# Altium PCB iMX6 Rex_V1I1_PCB.PcbDoc (part 2 of 8)
Units mm, origin at the board's own origin, x right, y up, seen from the top; angles counter-clockwise.
Board outline 70 x 40 mm, 12 copper layers (L1, L2, L3, L4, L5 (PWR), L6 (PWR), L7 (PWR), L8 (PWR), L9, L10, L11, L12), stack 1.566 mm thick; 473 components, 409 nets, 2294 pads, 1880 vias.
Unrouted connection lines stored in the file: 7.
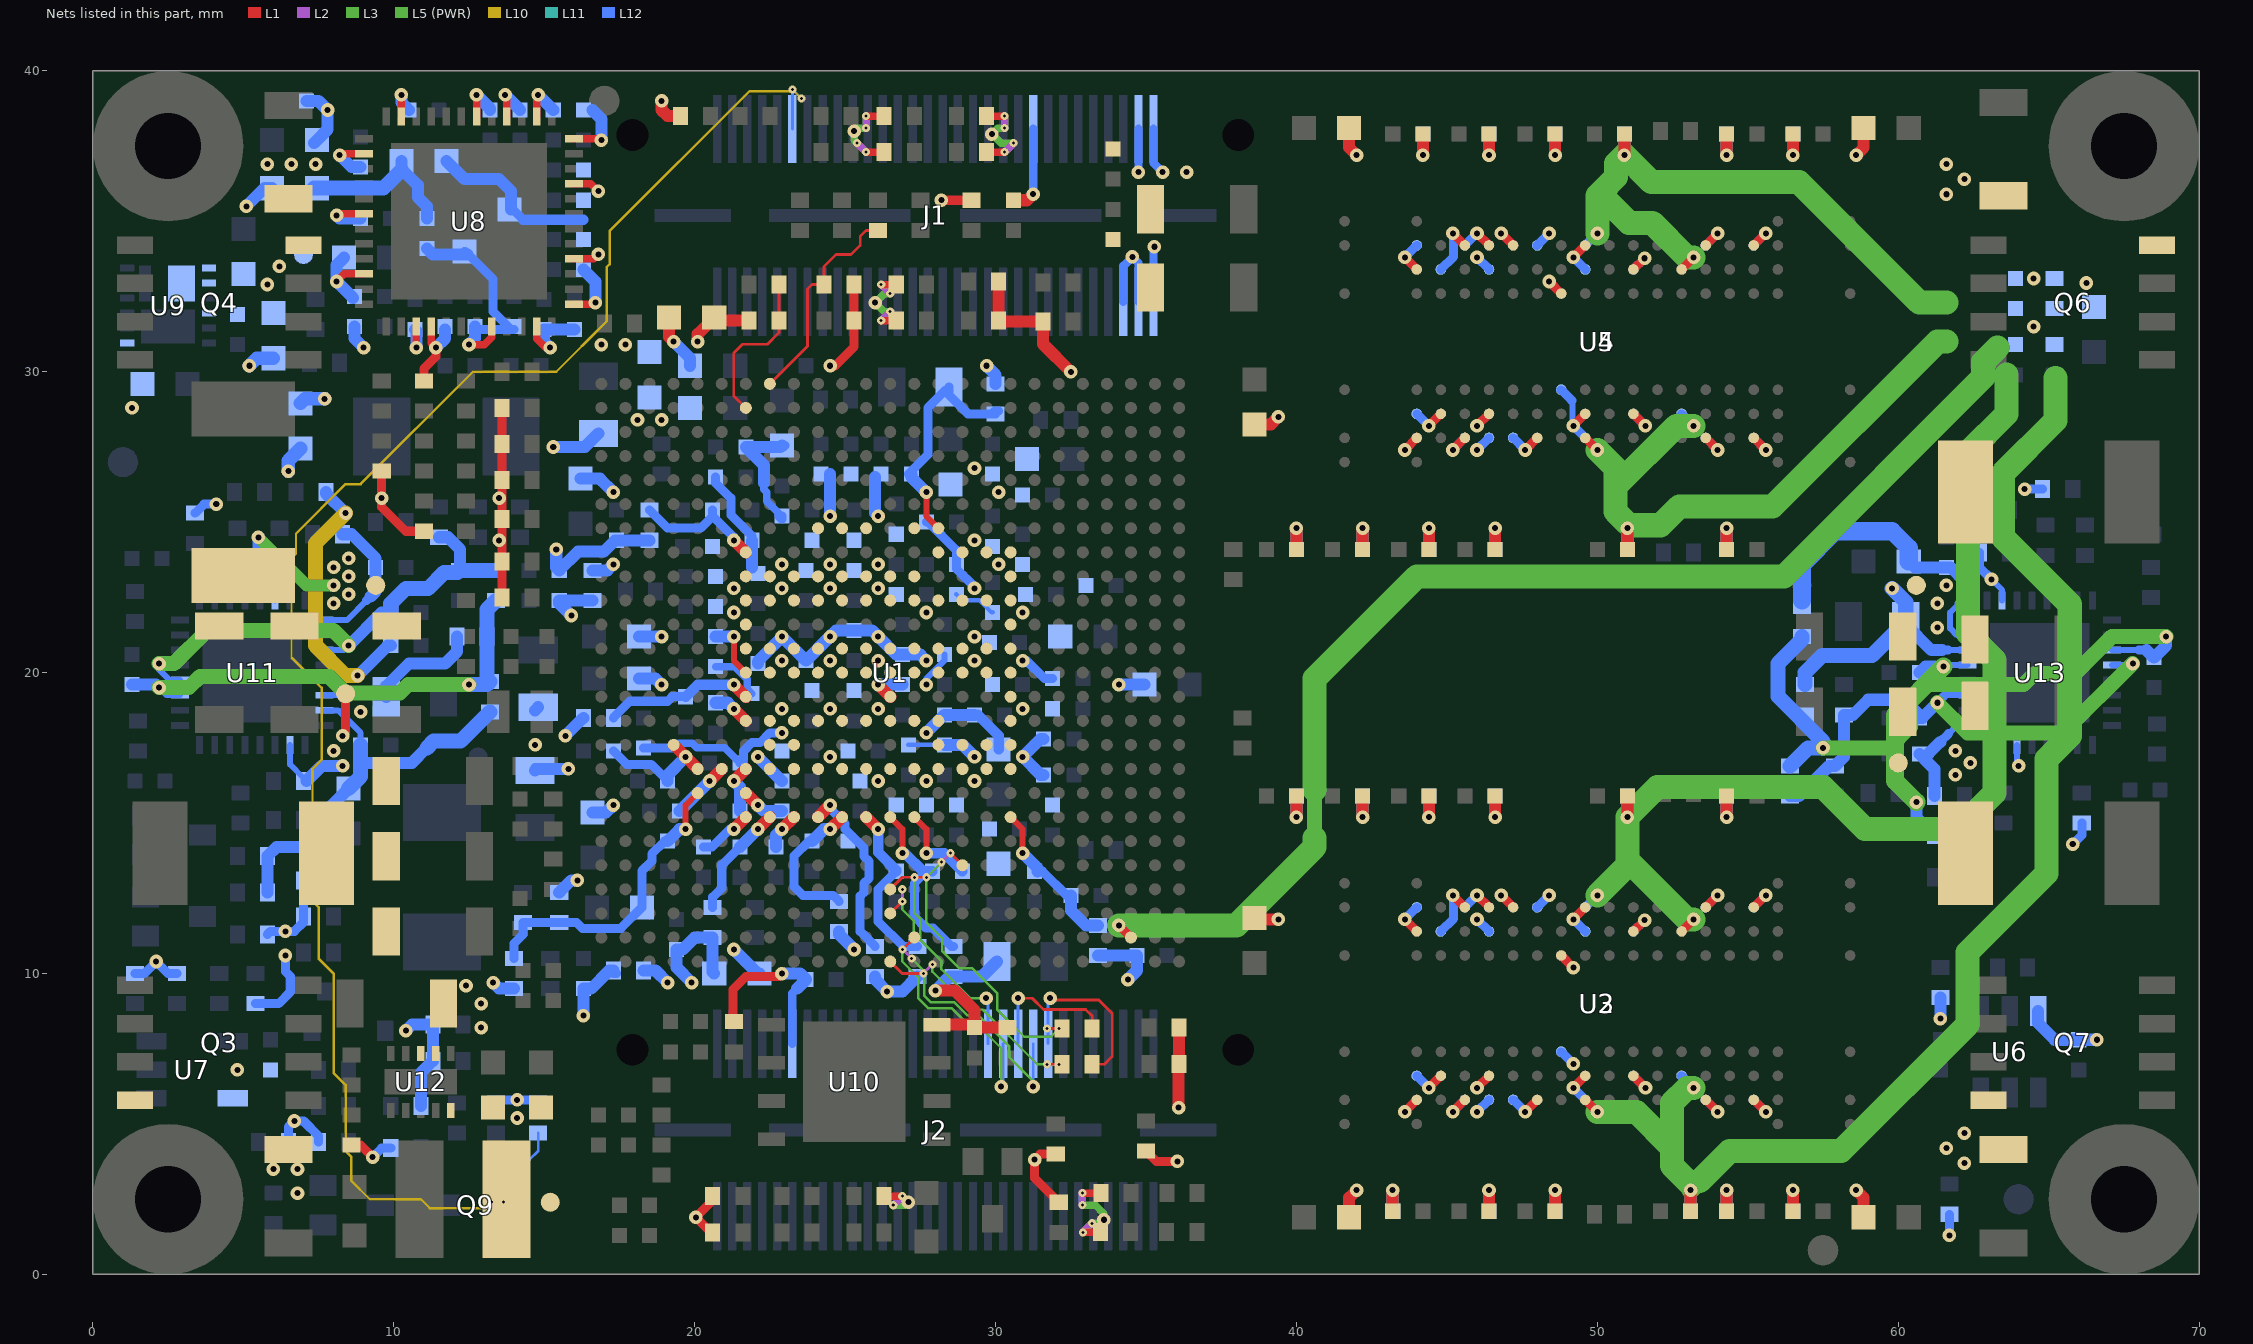
[diagram p12: the nets of this part, all layers, seen from the top]

## Footprints (in the part's own frame and the unit in brackets; to place one, negate y for a bottom-side part, rotate by r counter-clockwise, add the part's x,y. Pads: shape width x height; smd on the part's side, far side on the other; paste and mask are expansions set on the pad) (continued)
PBGA624 [mm] "Creator MM"
  round 0.4 smd mask+0.05: A2(-8.8,9.6) A3(-8,9.6) A4(-7.2,9.6) A5(-6.4,9.6) A6(-5.6,9.6) A7(-4.8,9.6) A8(-4,9.6) A9(-3.2,9.6) A10(-2.4,9.6) A11(-1.6,9.6) A12(-0.8,9.6) A13(0,9.6) A14(0.8,9.6) A15(1.6,9.6) A16(2.4,9.6) A17(3.2,9.6) A18(4,9.6) A19(4.8,9.6) A20(5.6,9.6) A21(6.4,9.6) A22(7.2,9.6) A23(8,9.6) A24(8.8,9.6) A25(9.6,9.6) AA1(-9.6,-6.4) AA2(-8.8,-6.4) AA3(-8,-6.4) AA4(-7.2,-6.4) AA5(-6.4,-6.4) AA6(-5.6,-6.4) AA7(-4.8,-6.4) AA8(-4,-6.4) AA9(-3.2,-6.4) AA10(-2.4,-6.4) AA11(-1.6,-6.4) AA12(-0.8,-6.4) AA13(0,-6.4) AA14(0.8,-6.4) AA15(1.6,-6.4) AA16(2.4,-6.4) AA17(3.2,-6.4) AA18(4,-6.4) AA19(4.8,-6.4) AA20(5.6,-6.4) AA21(6.4,-6.4) AA22(7.2,-6.4) AA23(8,-6.4) AA24(8.8,-6.4) AA25(9.6,-6.4) AB1(-9.6,-7.2) AB2(-8.8,-7.2) AB3(-8,-7.2) AB4(-7.2,-7.2) AB5(-6.4,-7.2) AB6(-5.6,-7.2) AB7(-4.8,-7.2) AB8(-4,-7.2) AB9(-3.2,-7.2) AB10(-2.4,-7.2) AB11(-1.6,-7.2) AB12(-0.8,-7.2) AB13(0,-7.2) AB14(0.8,-7.2) AB15(1.6,-7.2) AB16(2.4,-7.2) AB17(3.2,-7.2) AB18(4,-7.2) AB19(4.8,-7.2) AB20(5.6,-7.2) AB21(6.4,-7.2) AB22(7.2,-7.2) AB23(8,-7.2) AB24(8.8,-7.2) AB25(9.6,-7.2) AC1(-9.6,-8) AC2(-8.8,-8) AC3(-8,-8) AC4(-7.2,-8) AC5(-6.4,-8) AC6(-5.6,-8) AC7(-4.8,-8) AC8(-4,-8) AC9(-3.2,-8) AC10(-2.4,-8) AC11(-1.6,-8) AC12(-0.8,-8) AC13(0,-8) AC14(0.8,-8) AC15(1.6,-8) AC16(2.4,-8) AC17(3.2,-8) AC18(4,-8) AC19(4.8,-8) AC20(5.6,-8) AC21(6.4,-8) AC22(7.2,-8) AC23(8,-8) AC24(8.8,-8) AC25(9.6,-8) AD1(-9.6,-8.8) AD2(-8.8,-8.8) AD3(-8,-8.8) AD4(-7.2,-8.8) AD5(-6.4,-8.8) AD6(-5.6,-8.8) AD7(-4.8,-8.8) AD8(-4,-8.8) AD9(-3.2,-8.8) AD10(-2.4,-8.8) AD11(-1.6,-8.8) AD12(-0.8,-8.8) AD13(0,-8.8) AD14(0.8,-8.8) AD15(1.6,-8.8) AD16(2.4,-8.8) AD17(3.2,-8.8) AD18(4,-8.8) AD19(4.8,-8.8) AD20(5.6,-8.8) AD21(6.4,-8.8) AD22(7.2,-8.8) AD23(8,-8.8) AD24(8.8,-8.8) AD25(9.6,-8.8) AE1(-9.6,-9.6) AE2(-8.8,-9.6) AE3(-8,-9.6) AE4(-7.2,-9.6) AE5(-6.4,-9.6) AE6(-5.6,-9.6) AE7(-4.8,-9.6) AE8(-4,-9.6) AE9(-3.2,-9.6) AE10(-2.4,-9.6) AE11(-1.6,-9.6) AE12(-0.8,-9.6) AE13(0,-9.6) AE14(0.8,-9.6) AE15(1.6,-9.6) AE16(2.4,-9.6) AE17(3.2,-9.6) AE18(4,-9.6) AE19(4.8,-9.6) AE20(5.6,-9.6) AE21(6.4,-9.6) AE22(7.2,-9.6) AE23(8,-9.6) AE24(8.8,-9.6) AE25(9.6,-9.6) B1(-9.6,8.8) B2(-8.8,8.8) B3(-8,8.8) B4(-7.2,8.8) B5(-6.4,8.8) B6(-5.6,8.8) B7(-4.8,8.8) B8(-4,8.8) B9(-3.2,8.8) B10(-2.4,8.8) B11(-1.6,8.8) B12(-0.8,8.8) B13(0,8.8) B14(0.8,8.8) B15(1.6,8.8) B16(2.4,8.8) B17(3.2,8.8) B18(4,8.8) B19(4.8,8.8) B20(5.6,8.8) B21(6.4,8.8) B22(7.2,8.8) B23(8,8.8) B24(8.8,8.8) B25(9.6,8.8) C1(-9.6,8) C2(-8.8,8) C3(-8,8) C4(-7.2,8) C5(-6.4,8) C6(-5.6,8) C7(-4.8,8) C8(-4,8) C9(-3.2,8) C10(-2.4,8) C11(-1.6,8) C12(-0.8,8) C13(0,8) C14(0.8,8) C15(1.6,8) C16(2.4,8) C17(3.2,8) C18(4,8) C19(4.8,8) C20(5.6,8) C21(6.4,8) C22(7.2,8) C23(8,8) C24(8.8,8) C25(9.6,8) D1(-9.6,7.2) D2(-8.8,7.2) D3(-8,7.2) D4(-7.2,7.2) D5(-6.4,7.2) D6(-5.6,7.2) D7(-4.8,7.2) D8(-4,7.2) D9(-3.2,7.2) D10(-2.4,7.2) D11(-1.6,7.2) D12(-0.8,7.2) D13(0,7.2) D14(0.8,7.2) D15(1.6,7.2) D16(2.4,7.2) D17(3.2,7.2) D18(4,7.2) D19(4.8,7.2) D20(5.6,7.2) D21(6.4,7.2) D22(7.2,7.2) D23(8,7.2) D24(8.8,7.2) D25(9.6,7.2) E1(-9.6,6.4) E2(-8.8,6.4) E3(-8,6.4) E4(-7.2,6.4) E5(-6.4,6.4) E6(-5.6,6.4) E7(-4.8,6.4) E8(-4,6.4) E9(-3.2,6.4) E10(-2.4,6.4) E11(-1.6,6.4) E12(-0.8,6.4) E13(0,6.4) E14(0.8,6.4) E15(1.6,6.4) E16(2.4,6.4) E17(3.2,6.4) E18(4,6.4) E19(4.8,6.4) E20(5.6,6.4) E21(6.4,6.4) E22(7.2,6.4) E23(8,6.4) E24(8.8,6.4) E25(9.6,6.4) F1(-9.6,5.6) F2(-8.8,5.6) F3(-8,5.6) F4(-7.2,5.6) F5(-6.4,5.6) F6(-5.6,5.6) F7(-4.8,5.6) F8(-4,5.6) F9(-3.2,5.6) F10(-2.4,5.6) F11(-1.6,5.6) F12(-0.8,5.6) F13(0,5.6) F14(0.8,5.6) F15(1.6,5.6) F16(2.4,5.6) F17(3.2,5.6) F18(4,5.6) F19(4.8,5.6) F20(5.6,5.6) F21(6.4,5.6) F22(7.2,5.6) F23(8,5.6) F24(8.8,5.6) F25(9.6,5.6) G1(-9.6,4.8) G2(-8.8,4.8) G3(-8,4.8) G4(-7.2,4.8) G5(-6.4,4.8) G6(-5.6,4.8) G7(-4.8,4.8) G8(-4,4.8) G9(-3.2,4.8) G10(-2.4,4.8) G11(-1.6,4.8) G12(-0.8,4.8) G13(0,4.8) G14(0.8,4.8) G15(1.6,4.8) G16(2.4,4.8) G17(3.2,4.8) G18(4,4.8) G19(4.8,4.8) G20(5.6,4.8) G21(6.4,4.8) G22(7.2,4.8) G23(8,4.8) G24(8.8,4.8) G25(9.6,4.8) H1(-9.6,4) H2(-8.8,4) H3(-8,4) H4(-7.2,4) H5(-6.4,4) H6(-5.6,4) H7(-4.8,4) H8(-4,4) H9(-3.2,4) H10(-2.4,4) H11(-1.6,4) H12(-0.8,4) H13(0,4) H14(0.8,4) H15(1.6,4) H16(2.4,4) H17(3.2,4) H18(4,4) H19(4.8,4) H20(5.6,4) H21(6.4,4) H22(7.2,4) H23(8,4) H24(8.8,4) H25(9.6,4) J1(-9.6,3.2) J2(-8.8,3.2) J3(-8,3.2) J4(-7.2,3.2) J5(-6.4,3.2) J6(-5.6,3.2) J7(-4.8,3.2) J8(-4,3.2) J9(-3.2,3.2) J10(-2.4,3.2) J11(-1.6,3.2) J12(-0.8,3.2) J13(0,3.2) J14(0.8,3.2) J15(1.6,3.2) J16(2.4,3.2) J17(3.2,3.2) J18(4,3.2) J19(4.8,3.2) J20(5.6,3.2) J21(6.4,3.2) J22(7.2,3.2) J23(8,3.2) J24(8.8,3.2) J25(9.6,3.2) K1(-9.6,2.4) K2(-8.8,2.4) K3(-8,2.4) K4(-7.2,2.4) K5(-6.4,2.4) K6(-5.6,2.4) K7(-4.8,2.4) K8(-4,2.4) K9(-3.2,2.4) K10(-2.4,2.4) K11(-1.6,2.4) K12(-0.8,2.4) K13(0,2.4) K14(0.8,2.4) K15(1.6,2.4) K16(2.4,2.4) K17(3.2,2.4) K18(4,2.4) K19(4.8,2.4) K20(5.6,2.4) K21(6.4,2.4) K22(7.2,2.4) K23(8,2.4) K24(8.8,2.4) K25(9.6,2.4) L1(-9.6,1.6) L2(-8.8,1.6) L3(-8,1.6) L4(-7.2,1.6) L5(-6.4,1.6) L6(-5.6,1.6) L7(-4.8,1.6) L8(-4,1.6) L9(-3.2,1.6) L10(-2.4,1.6) L11(-1.6,1.6) L12(-0.8,1.6) L13(0,1.6) L14(0.8,1.6) L15(1.6,1.6) L16(2.4,1.6) L17(3.2,1.6) L18(4,1.6) L19(4.8,1.6) L20(5.6,1.6) L21(6.4,1.6) L22(7.2,1.6) L23(8,1.6) L24(8.8,1.6) L25(9.6,1.6) M1(-9.6,0.8) M2(-8.8,0.8) M3(-8,0.8) M4(-7.2,0.8) M5(-6.4,0.8) M6(-5.6,0.8) M7(-4.8,0.8) M8(-4,0.8) M9(-3.2,0.8) M10(-2.4,0.8) M11(-1.6,0.8) M12(-0.8,0.8) M13(0,0.8) M14(0.8,0.8) M15(1.6,0.8) M16(2.4,0.8) M17(3.2,0.8) M18(4,0.8) M19(4.8,0.8) M20(5.6,0.8) M21(6.4,0.8) M22(7.2,0.8) M23(8,0.8) M24(8.8,0.8) M25(9.6,0.8) N1(-9.6,0) N2(-8.8,0) N3(-8,0) N4(-7.2,0) N5(-6.4,0) N6(-5.6,0) N7(-4.8,0) N8(-4,0) N9(-3.2,0) N10(-2.4,0) N11(-1.6,0) N12(-0.8,0) N13(0,0) N14(0.8,0) N15(1.6,0) N16(2.4,0) N17(3.2,0) N18(4,0) N19(4.8,0) N20(5.6,0) N21(6.4,0) N22(7.2,0) N23(8,0) N24(8.8,0) N25(9.6,0) P1(-9.6,-0.8) P2(-8.8,-0.8) P3(-8,-0.8) P4(-7.2,-0.8) P5(-6.4,-0.8) P6(-5.6,-0.8) P7(-4.8,-0.8) P8(-4,-0.8) P9(-3.2,-0.8) P10(-2.4,-0.8) P11(-1.6,-0.8) P12(-0.8,-0.8) P13(0,-0.8) P14(0.8,-0.8) P15(1.6,-0.8) P16(2.4,-0.8) P17(3.2,-0.8) P18(4,-0.8) P19(4.8,-0.8) P20(5.6,-0.8) P21(6.4,-0.8) P22(7.2,-0.8) P23(8,-0.8) P24(8.8,-0.8) P25(9.6,-0.8) R1(-9.6,-1.6) R2(-8.8,-1.6) R3(-8,-1.6) R4(-7.2,-1.6) R5(-6.4,-1.6) R6(-5.6,-1.6) R7(-4.8,-1.6) R8(-4,-1.6) R9(-3.2,-1.6) R10(-2.4,-1.6) R11(-1.6,-1.6) R12(-0.8,-1.6) R13(0,-1.6) R14(0.8,-1.6) R15(1.6,-1.6) R16(2.4,-1.6) R17(3.2,-1.6) R18(4,-1.6) R19(4.8,-1.6) R20(5.6,-1.6) R21(6.4,-1.6) R22(7.2,-1.6) R23(8,-1.6) R24(8.8,-1.6) R25(9.6,-1.6) T1(-9.6,-2.4) T2(-8.8,-2.4) T3(-8,-2.4) T4(-7.2,-2.4) T5(-6.4,-2.4) T6(-5.6,-2.4) T7(-4.8,-2.4) T8(-4,-2.4) T9(-3.2,-2.4) T10(-2.4,-2.4) T11(-1.6,-2.4) T12(-0.8,-2.4) T13(0,-2.4) T14(0.8,-2.4) T15(1.6,-2.4) T16(2.4,-2.4) T17(3.2,-2.4) T18(4,-2.4) T19(4.8,-2.4) T20(5.6,-2.4) T21(6.4,-2.4) T22(7.2,-2.4) T23(8,-2.4) T24(8.8,-2.4) T25(9.6,-2.4) U1(-9.6,-3.2) U2(-8.8,-3.2) U3(-8,-3.2) U4(-7.2,-3.2) U5(-6.4,-3.2) U6(-5.6,-3.2) U7(-4.8,-3.2) U8(-4,-3.2) U9(-3.2,-3.2) U10(-2.4,-3.2) U11(-1.6,-3.2) U12(-0.8,-3.2) U13(0,-3.2) U14(0.8,-3.2) U15(1.6,-3.2) U16(2.4,-3.2) U17(3.2,-3.2) U18(4,-3.2) U19(4.8,-3.2) U20(5.6,-3.2) U21(6.4,-3.2) U22(7.2,-3.2) U23(8,-3.2) U24(8.8,-3.2) U25(9.6,-3.2) V1(-9.6,-4) V2(-8.8,-4) V3(-8,-4) V4(-7.2,-4) V5(-6.4,-4) V6(-5.6,-4) V7(-4.8,-4) V8(-4,-4) V9(-3.2,-4) V10(-2.4,-4) V11(-1.6,-4) V12(-0.8,-4) V13(0,-4) V14(0.8,-4) V15(1.6,-4) V16(2.4,-4) V17(3.2,-4) V18(4,-4) V19(4.8,-4) V20(5.6,-4) V21(6.4,-4) V22(7.2,-4) V23(8,-4) V24(8.8,-4) V25(9.6,-4) W1(-9.6,-4.8) W2(-8.8,-4.8) W3(-8,-4.8) W4(-7.2,-4.8) W5(-6.4,-4.8) W6(-5.6,-4.8) W7(-4.8,-4.8) W8(-4,-4.8) W9(-3.2,-4.8) W10(-2.4,-4.8) W11(-1.6,-4.8) W12(-0.8,-4.8) W13(0,-4.8) W14(0.8,-4.8) W15(1.6,-4.8) W16(2.4,-4.8) W17(3.2,-4.8) W18(4,-4.8) W19(4.8,-4.8) W20(5.6,-4.8) W21(6.4,-4.8) W22(7.2,-4.8) W23(8,-4.8) W24(8.8,-4.8) W25(9.6,-4.8) Y1(-9.6,-5.6) Y2(-8.8,-5.6) Y3(-8,-5.6) Y4(-7.2,-5.6) Y5(-6.4,-5.6) Y6(-5.6,-5.6) Y7(-4.8,-5.6) Y8(-4,-5.6) Y9(-3.2,-5.6) Y10(-2.4,-5.6) Y11(-1.6,-5.6) Y12(-0.8,-5.6) Y13(0,-5.6) Y14(0.8,-5.6) Y15(1.6,-5.6) Y16(2.4,-5.6) Y17(3.2,-5.6) Y18(4,-5.6) Y19(4.8,-5.6) Y20(5.6,-5.6) Y21(6.4,-5.6) Y22(7.2,-5.6) Y23(8,-5.6) Y24(8.8,-5.6) Y25(9.6,-5.6)
  silkscreen extent -10.6,-10.6 10.6,10.6, body extent -10.5,-10.5 10.5,10.5, height 1.1
QFN48_7MMX7MM [mm] "Creator MM"
  rect 0.6x0.25 smd mask+0.03: 1(-3.49,2.75) 2(-3.49,2.25) 3(-3.49,1.75) 4(-3.49,1.25) 5(-3.49,0.75) 6(-3.49,0.25) 7(-3.49,-0.25) 8(-3.49,-0.75) 9(-3.49,-1.25) 10(-3.49,-1.75) 11(-3.49,-2.25) 12(-3.49,-2.75) 25(3.49,-2.75) 26(3.49,-2.25) 27(3.49,-1.75) 28(3.49,-1.25) 29(3.49,-0.75) 30(3.49,-0.25) 31(3.49,0.25) 32(3.49,0.75) 33(3.49,1.25) 34(3.49,1.75) 35(3.49,2.25) 36(3.49,2.75)
  rect 0.25x0.6 smd mask+0.03: 13(-2.75,-3.49) 14(-2.25,-3.49) 15(-1.75,-3.49) 16(-1.25,-3.49) 17(-0.75,-3.49) 18(-0.25,-3.49) 19(0.25,-3.49) 20(0.75,-3.49) 21(1.25,-3.49) 22(1.75,-3.49) 23(2.25,-3.49) 24(2.75,-3.49) 37(2.75,3.49) 38(2.25,3.49) 39(1.75,3.49) 40(1.25,3.49) 41(0.75,3.49) 42(0.25,3.49) 43(-0.25,3.49) 44(-0.75,3.49) 45(-1.25,3.49) 46(-1.75,3.49) 47(-2.25,3.49) 48(-2.75,3.49)
  rect 5.2x5.2 smd paste-10 mask+0.025: 49(0,0)
  silkscreen extent -3.5,-3.5 3.5,3.5, body extent -3.51,-3.51 3.51,3.51, height 0.78
QSH-030-01-L-D-A [mm]
  rect 2.27x0.28 smd mask+0.051: 1(-2.87,7.25) 2(2.87,7.25) 3(-2.87,6.75) 4(2.87,6.75) 5(-2.87,6.25) 6(2.87,6.25) 7(-2.87,5.75) 8(2.87,5.75) 9(-2.87,5.25) 10(2.87,5.25) 11(-2.87,4.75) 12(2.87,4.75) 13(-2.87,4.25) 14(2.87,4.25) 15(-2.87,3.75) 16(2.87,3.75) 17(-2.87,3.25) 18(2.87,3.25) 19(-2.87,2.75) 20(2.87,2.75) 21(-2.87,2.25) 22(2.87,2.25) 23(-2.87,1.75) 24(2.87,1.75) 25(-2.87,1.25) 26(2.87,1.25) 27(-2.87,0.75) 28(2.87,0.75) 29(-2.87,0.25) 30(2.87,0.25) 31(-2.87,-0.25) 32(2.87,-0.25) 33(-2.87,-0.75) 34(2.87,-0.75) 35(-2.87,-1.25) 36(2.87,-1.25) 37(-2.87,-1.75) 38(2.87,-1.75) 39(-2.87,-2.25) 40(2.87,-2.25) 41(-2.87,-2.75) 42(2.87,-2.75) 43(-2.87,-3.25) 44(2.87,-3.25) 45(-2.87,-3.75) 46(2.87,-3.75) 47(-2.87,-4.25) 48(2.87,-4.25) 49(-2.87,-4.75) 50(2.87,-4.75) 51(-2.87,-5.25) 52(2.87,-5.25) 53(-2.87,-5.75) 54(2.87,-5.75) 55(-2.87,-6.25) 56(2.87,-6.25) 57(-2.87,-6.75) 58(2.87,-6.75) 59(-2.87,-7.25) 60(2.87,-7.25)
  rect 0.43x2.54 smd mask+0.076: 61(0,8.065) 64(0,-8.065)
  rect 0.43x4.7 smd mask+0.076: 62(0,3.175) 63(0,-3.175)
  round 0 hole 1.05 unplated: 65(2.67,10.065) 66(2.67,-10.065)
  silkscreen extent -4.3,-10.8 3.68,10.8, body extent -3.65,-10.63 3.85,10.64, height 3.42
R0402 [mm]
  rect 0.5x0.6 smd: 1(-0.5,0) 2(0.5,0)
  silkscreen extent -1,-0.6 1,0.6, body extent -0.5,-0.25 0.5,0.25, height 0.4
SC70_SOT323 [mm]
  rect 0.9x0.7 smd: 1(-0.95,0.65) 2(-0.95,-0.65) 3(0.95,0)
  silkscreen extent -0.7,-1.27 0.7,1.27, body extent -1.27,-1.27 1.27,1.27, height 1.1
SOD323 [mil]
  rect 22x27 smd mask+3: 1(-48,0) 2(48,0)
  silkscreen extent -75,-28 71,28, body extent -49,-25 49,25, height 39
TP_25C [mm]
  round 0.635 smd paste-0.635 mask+0.051: 1(0,0)
VLCF4020 [mm] "Creator MM"
  rect 1.6x3.9 smd paste-10 mask+0.102: 1(-1.45,0)
  rect 1.6x3.9 smd paste-10 mask+0.1: 2(1.45,0)
  silkscreen extent -0.35,-2.1 0.35,2.1, body extent -2.15,-2 2.15,2, height 2.1
WSON8_6X5MM [mm] "Creator MM"
  rect 0.9x0.45 smd: 1(-2.75,1.905) 2(-2.75,0.635) 3(-2.75,-0.635) 4(-2.75,-1.905) 5(2.75,-1.905) 6(2.75,-0.635) 7(2.75,0.635) 8(2.75,1.905)
  rect 3.4x4 smd: 9(0,0)
  silkscreen extent -3.1,-2.6 3.1,2.8, body extent -3,-2.5 3,2.5, height 0.8

## Part data
C1 C206 C207 C225 C226: library part C1005X5R1C105K, "CAP CER 1.0UF 16V X5R 0402"
C2 C209 C210 C220 C228 C229 C241: library part GRM31CR6YA106KA12L, "CAP CER 10UF 35V X5R 1206"
C3 C4 C5 C6 C8 C9 C10 C11 C21 C22 C23 C24 C25 C26 C27 C28 C29 C30 C31 C32 C33 C34 C35 C36 C37 C38 C39 C40 C41 C42 C43 C44 C45 C46 C47 C48 C49 C50 C51 C52 C53 C54 C55 C56 C57 C58 C59 C60 C61 C62 C64 C68 C73 C75 C76 C77 C79 C81 C82 C90 C91 C92 C93 C94 C95 C97 C98 C99 C100 C102 C103 C104 C105 C107 C108 C109 C110 C112 C113 C114 C115 C116 C117 C119 C120 C121 C122 C123 C124 C125 C126 C130 C131 C132 C133 C134 C136 C138 C140 C142 C143 C144 C145 C146 C149 C150 C152 C153 C154 C155 C157 C158 C159 C160 C161 C162 C163 C164 C165 C166 C167 C168 C169 C170 C171 C174: library part C1005X5R1E224M, "CAP CER .22UF 25V X5R 20% 0402"
C7 C18 C20 C63 C65 C66 C67 C74 C87 C88 C89 C181 C187 C190 C192 C195 C203 C205 C211 C212 C219 C224 C230 C231 C238 C239 C240 C242: library part C1005X5R1H104K, "CAP CER .10UF 50V X5R 10% 0402"
C12 C13 C14 C15 C16 C17 C96 C101 C106 C111 C118 C127 C128 C129 C135 C151 C172 C173: library part GRM188R60G226MEA0L, "CAP CER 22UF 4V 20% X5R 0603"
C19 C80 C177 C178 C180 C186 C191 C194 C199 C204 C221 C222 C223: library part C1608X5R0J106M, "CAP CER 10UF 6.3V X5R 20% 0603"
C69 C70 C71 C72 C139: library part C1005X7R1H103K, "CAP CER 10000PF 50V 10% X7R 0402"
C78 C243 C244 C245 C246 C247: library part C1005X5R1A475M, "CAP CER 4.7UF 10V 20% X5R 0402"
C83 C84 C85 C86: library part C1005C0G1H180J, "CAP CER 18PF 50V C0G 5% 0402"
C137 C141 C147 C148 C156: library part C2012X5R1C226K, "CAP CER 22UF 16V 10% X5R 0805"
C175 C176: library part C1005C0G1H220J, "CAP CER 22PF 50V C0G 5% 0402"
C179: library part GRM1555C1H561JA01D, "CAP CER 560PF 50V C0G 0402"
C182 C183 C184 C185 C188 C189 C193 C196 C197 C198 C200 C201 C202 C218 C237 C248 C249: library part C1005X7R1C103K, "CAP CER 10000PF 16V X7R 10% 0402"
C208 C227: library part GRM21BR71H105KA12L, "CAP CER 1UF 50V X7R 0805"
C213 C214 C215 C216 C217 C232 C233 C234 C235 C236: library part C3216X5R1A107M, "CAP CER 100UF 10V X5R 20% 1206"
D1: "DIODE SCHTKY 30MA 30V SOD-323"
D2: library part "LG L29K-G2J1-24-Z", "LED SMARTLED GREEN 570NM 0603"
D3: library part "LO L29K-H2K1-24-Z", "LED SMARTLED ORANGE 606NM 0603"
FB1 FB2 FB8: library part BLM18SG221TN1D, "FERRITE CHIP 220 OHM 2500MA 0603"
FB3 FB4 FB6 FB7: "FERRITE CHIP 100 OHM BEAD 0603 3A"
FB5: "FERRITE CHIP 600 OHM 0402 420mA"
FID1 FID2 FID3 FID4: "Fiducial 40mil Diameter, 52mil Mask"
J1 J2: "CONN RCPT HI-SPD .5MM 60POS DL"
L1: library part IHLP2525CZER4R7M01, "INDUCTOR POWER 4.7UH 5.5A SMD"
L2 L4 L5: library part IHLP2525CZER3R3M01, "INDUCTOR POWER 3.3UH 6A SMD"
L3: "INDUCTOR POWER 10UH .85A SMD"
MH1 MH2 MH3 MH4: "Mounting Hole 5mm Diameter, 2.2mm Drill"
Q1 Q2 Q5 Q8 Q9: "MOSFET N-CH 60V 310MA SOT323"
Q3 Q4 Q6 Q7: "MOSFET DL N-CH 30V 6.8A 8-SOIC"
R1 R35 R36 R50 R52 R66 R72 R83 R85 R86 R90 R92 R112 R159 R160 R161: library part RC0402FR-0722RL, "RES 22.0 OHM 1/16W 1% 0402 SMD"
R2 R3 R15: library part CRCW0402200RFKED, "RES 200 OHM 1/16W 1% 0402 SMD"
R4 R5 R8 R9 R10 R11 R12: library part RMCF0402FT240R, "RES TF 240 OHM 1% 0.0625W 0402"
R6 R7 R33 R38 R39 R40 R41 R42 R43 R48 R49 R57 R58 R60 R62 R63 R64 R67 R68 R69 R75 R91 R94 R95 R96 R97 R98 R100 R103 R104 R109 R110 R115 R127 R129 R130 R131 R132 R133 R136 R151 R153 R154 R155 R158 R165: library part RC0402FR-0710KL, "RES 10.0K OHM 1/16W 1% 0402 SMD"
R13 R14 R18 R19 R23 R24 R25 R26 R27 R34 R51 R65 R70 R71 R74 R76 R78 R80 R88 R93 R105 R106 R107 R108 R116 R117 R128 R140 R141 R152 R156 R157 R163 R164: library part RC0402JR-070RL, "RES 0.0 OHM 1/16W 0402 SMD"
R16 R17: library part RC0402FR-0749R9L, "RES 49.9 OHM 1/16W 1% 0402 SMD"
R20: library part CRCW0402191RFKED, "RES 191 OHM 1/16W 1% 0402 SMD"
R21 R22: library part RC0402FR-0747KL, "RES 47.0K OHM 1/16W 1% 0402 SMD"
R28 R29 R31 R32 R44 R45 R46 R47 R55 R56 R59 R84 R87 R89 R120: library part RMCF0402FT4K99, "RES TF 4.99K OHM 1% 1/16W 0402"
R30: library part ERJ-2RKF1601X, "RES 1.6K OHM 1/10W 1% 0402 SMD"
R37: library part CRCW04022M20FKED, "RES 2.20M OHM 1/16W 1% 0402 SMD"
R53 R54: library part CRCW040210M0FKED, "RES 10.0M OHM 1/16W 1% 0402 SMD"
R61 R99 R101 R102 R162: library part RC0402FR-071KL, "RES 1.00K OHM 1/16W 1% 0402 SMD"
R73 R111 R137 R143 R144: library part RMCF0402FT100K, "RES 100K OHM 1/16W 1% 0402 SMD"
R77: library part CRCW04022R20FKED, "RES 2.20 OHM 1/16W 1% 0402 SMD"
R79 R118 R142: library part RC0402FR-0710RL, "RES 10.0 OHM 1/16W 1% 0402 SMD"
R81 R82 R113 R114: library part RC0402FR-07220RL, "RES 220 OHM 1/16W 1% 0402 SMD"
R119: library part RC0402FR-0714KL, "RES 14.0K OHM 1/16W 1% 0402 SMD"
R121 R122 R145 R146: library part RC0402FR-071RL, "RES 1.00 OHM 1/16W 1% 0402 SM"
R123: library part RC0402FR-0739KL, "RES 39.0K OHM 1/16W 1% 0402 SMD"
R124 R125 R148 R149: library part RC0402FR-07200KL, "RES 200K OHM 1/16W 1% 0402 SMD"
R126 R150: library part CRCW040210K5FKED, "RES 10.5K OHM 1/16W 1% 0402 SMD"
R134: library part RC0402FR-0712KL, "RES 12.0K OHM 1/16W 1% 0402 SMD"
R135: library part RC0402FR-073K3L, "RES 3.30K OHM 1/16W 1% 0402 SMD"
R138: library part CRCW0402330KFKED, "RES 330K OHM 1/16W 1% 0402 SMD"
R139: library part RC0402FR-07120KL, "RES 120K OHM 1/16W 1% 0402 SMD"
R147: library part RC0402FR-0727KL, "RES 27.0K OHM 1/16W 1% 0402 SMD"
TP3 TP5 TP6 TP7 TP8 TP9 TP10 TP11: "Test Point 25mil"
U1: "IC MCU 32BIT ARM QUAD 624FCBGA"
U2 U3 U4 U5: "IC DDR3 SDRAM 2GBIT 667MHZ 96BGA"
U6: library part TPS3808G09DBVR, "IC VOLT SUPERVISOR 0.9V SOT23-6"
U7: "IC GATE AND SGL 2INP SOT23-5"
U8: "IC TXRX 10/100/1000 SGL 48QFN"
U9: "IC PWM REG 600mA 1.2V 12-MLF"
U10: library part SST25VF016B-75-4I-QAF, "IC FLASH 16MBIT 75MHZ 8WSON"
U11 U13: "IC MAIN PWR CTRLR QUAD 32-QFN"
U12: "IC REG BUCK SYNC ADJ 0.5A 10WSON"
Y1: library part ABM7-24.000MHZ-D-2-Y-T, "CRYSTAL 24.0000MHZ 18PF SMD"
Y2: library part ABS06-32.768KHZ-9-1-T, "CRYSTAL 32.768 KHZ 9.0 PF SMD"
Y3: library part "ABM7-25.000MHZ-D-2-Y-T V1.1", "CRYSTAL 25.0000 MHZ 18PF SMD"

## Via types
v1: diameter 0.45, hole 0.2, L1 to L12, tented both sides, 761 vias
v2: diameter 0.27, hole 0.1, L1 to L2, 305 vias
v3: diameter 0.27, hole 0.1, L2 to L3, 290 vias
v4: diameter 0.45, hole 0.2, L3 to L10, 196 vias
v5: diameter 0.27, hole 0.1, L11 to L12, 185 vias
v6: diameter 0.27, hole 0.1, L10 to L11, 142 vias
v7: diameter 0.45, hole 0.2, L3 to L10, tented both sides, 1 vias

## Nets (pads, with @x,y where several pads share a name; then routed paths per layer and width w, separated by ;. In a path a pad name is that pad's centre, name@x,y a point inside that pad or via, vN(x,y) a via of type N, cw(c..) or ccw(c..) an arc to the next point about the centre after c; other vN are vias at no path point)
+1V1_NVCC_PLL_OUT: C150.1 C151.1 R77.2 R79.2 R105.1 U1.E8 | length 10.4
  L1 w0.2: v1(19.7,14.8) 19.7,15.6 U1.E8@20.1,16
  L12 w0.3: R77.2@14,10.5 14,11 14.3,11.3 R79.2@14.3,11.7 R105.1@15.5,11.7 16.072,11.7 16.272,11.5 17.55,11.5 C151.1@18.25,12.2 18.25,13.412 18.575,13.737 18.575,13.975 C150.1@19,14.4 ; C150.1@19.05,14.35 C150.1@19.1,14.4
  L12 w0.4: C150.1@19.1,14.4 19.5,14.8 v1(19.7,14.8)
+1V1_VDDSOC_CAP: C78.1 C112.1 C113.1 C114.1 C115.1 C116.1 C117.1 C118.1 C138.1 C246.1 FB1.1 R13.1 R18.1 R23.1 U1.N12 U1.R10 U1.T10 U1.T13 U1.T14 U1.U10 U1.U13 U1.U14 | length 11.6
  L1 w0.4: v1(26.1,19.6) U1.N12@26.5,19.2
  L12 w0.15: C116.1@27.1,17.6 C115.1@28.3,17.6 ; C113.1@28.7,22.6 28.9,22.4 29.466,22.4 29.866,22 C114.1@29.9,22
  L12 w0.4: v1(15.9,21.9) 15.5,22.3 C246.1@15.5,22.4 R18.1@16.6,22.4 ; v1(19.9,9.7) 19.4,10.2 C78.1@19.4,10.8 19.6,10.8 20,11.2 R13.1@20.6,11.2 20.6,10.05 FB1.1@20.65,10 ; R23.1@24.8,11.4 24.8,11.3 v1(25.3,10.8) ; v1(26.1,19.6) C138.1@26.9,19.6 ; C115.1@28.3,17.6 28.9,17.6 v1(29.3,17.2)
  other v1: 29.3,20.4 29.3,21.2
+1V2_ETH: C178.1 C179.1 FB3.1 FB4.1 FB5.1 FB8.1 R105.2 TP5.1 U9.7 U9.8 U9.10 U9.15 | length 6.2
  L12 w0.4: FB4.1@10.25,37 10.25,36.75 10.8,36.2 10.8,35.8 11.1,35.5 FB5.1@11.1,35.1 ; R105.2@15.5,12.7 15.9,13.1 v1(16.1,13.1)
  L12 w0.5: FB3.1@7.35,36.1 9.65,36.1 FB4.1@10.25,36.7
  other v1: 5.8,32.9 6.2,33.5
+1V2_ETH_AVDDL: C186.1 C187.1 C188.1 C189.1 FB4.2 U8.4 U8.9 | length 7.5
  L1 w0.25: U8.4@15.99,33.75 16.65,33.75 v1(16.8,33.9) ; U8.9@15.99,36.25 16.55,36.25 v1(16.8,36)
  L12 w0.3: C186.1@13.85,35.4 13.9,35.4 13.95,35.4 14.3,35.05
  L12 w0.35: 14.3,35.05 16.3,35.05
  L12 w0.4: FB4.2@11.75,37 12.35,36.4 13.5,36.4 13.9,36 C186.1@13.9,35.4
+1V2_ETH_AVDDL_PLL: C191.1 C192.1 C193.1 FB5.2 U8.44 | length 7.5
  L1 w0.25: v1(12.5,30.9) 13,30.9 13.25,31.15
  L12 w0.3: C191.1@12.35,34 12.372,34 13.3,33.072 13.3,32 C192.1@13.9,31.4 ; C193.1@12.7,31.4 C192.1@13.9,31.4 ; C192.1@14,31.4 C192.1@13.9,31.4
  L12 w0.4: FB5.2@11.1,34.1 11.3,33.9 C191.1@12.45,33.9 ; v1(12.5,30.9) 12.7,31.1 12.7,31.4 C193.1@12.7,31.5
+1V2_ETH_DVDDL: C180.1 C181.1 C182.1 C183.1 C184.1 C185.1 C248.1 C249.1 FB3.2 U8.14 U8.18 U8.23 U8.26 U8.30 U8.39 | length 11.8
  L1 w0.25: v1@8.1,35.1 8.25,35.25 U8.30@9.01,35.25 ; v1@8.2,37.25 8.7,37.25 ; U8.23@10.25,38.49 v1(10.25,39.2) ; v1(10.75,30.8) U8.39@10.75,31.51 ; U8.18@12.75,38.49 v1(12.75,39.2) ; U8.14@14.75,38.49 v1@14.75,39.15
  L12 w0.4: v1(5.1,35.5) 5.7,36.1 FB3.2@5.95,36.1 ; C181.1@7.1,39 7.5,39 v1(7.8,38.7) 7.8,38.05 C180.1@7.45,37.7 C180.1@7.35,37.6 ; v1(8.1,35.2) 8.2,35.1 C183.1@8.9,35.1 ; v1(8.2,37.2) 8.6,36.8 C184.1@8.9,36.8 ; v1(10.25,39.2) 10.25,38.95 C249.1@10.5,38.7 ; C182.1@10.7,31.4 10.75,31.35 v1(10.75,30.8) ; v1(12.75,39.2) 13.2,38.75 C248.1@13.2,38.7 ; v1(14.8,39.2) C185.1@15.3,38.7
+1V2_VDD_ARM_CAP: C97.1 C98.1 C99.1 C100.1 C101.1 C102.1 C103.1 C104.1 C105.1 C106.1 U1.H11 U1.H13 U1.J11 U1.J13 U1.K11 U1.K13 U1.L11 U1.L13 U1.M11 U1.M13 U1.N11 U1.N13 U1.P11 U1.P13 U1.R11 U1.R13 | length 7.2